# KiCad board PC110.kicad_pcb (continued)
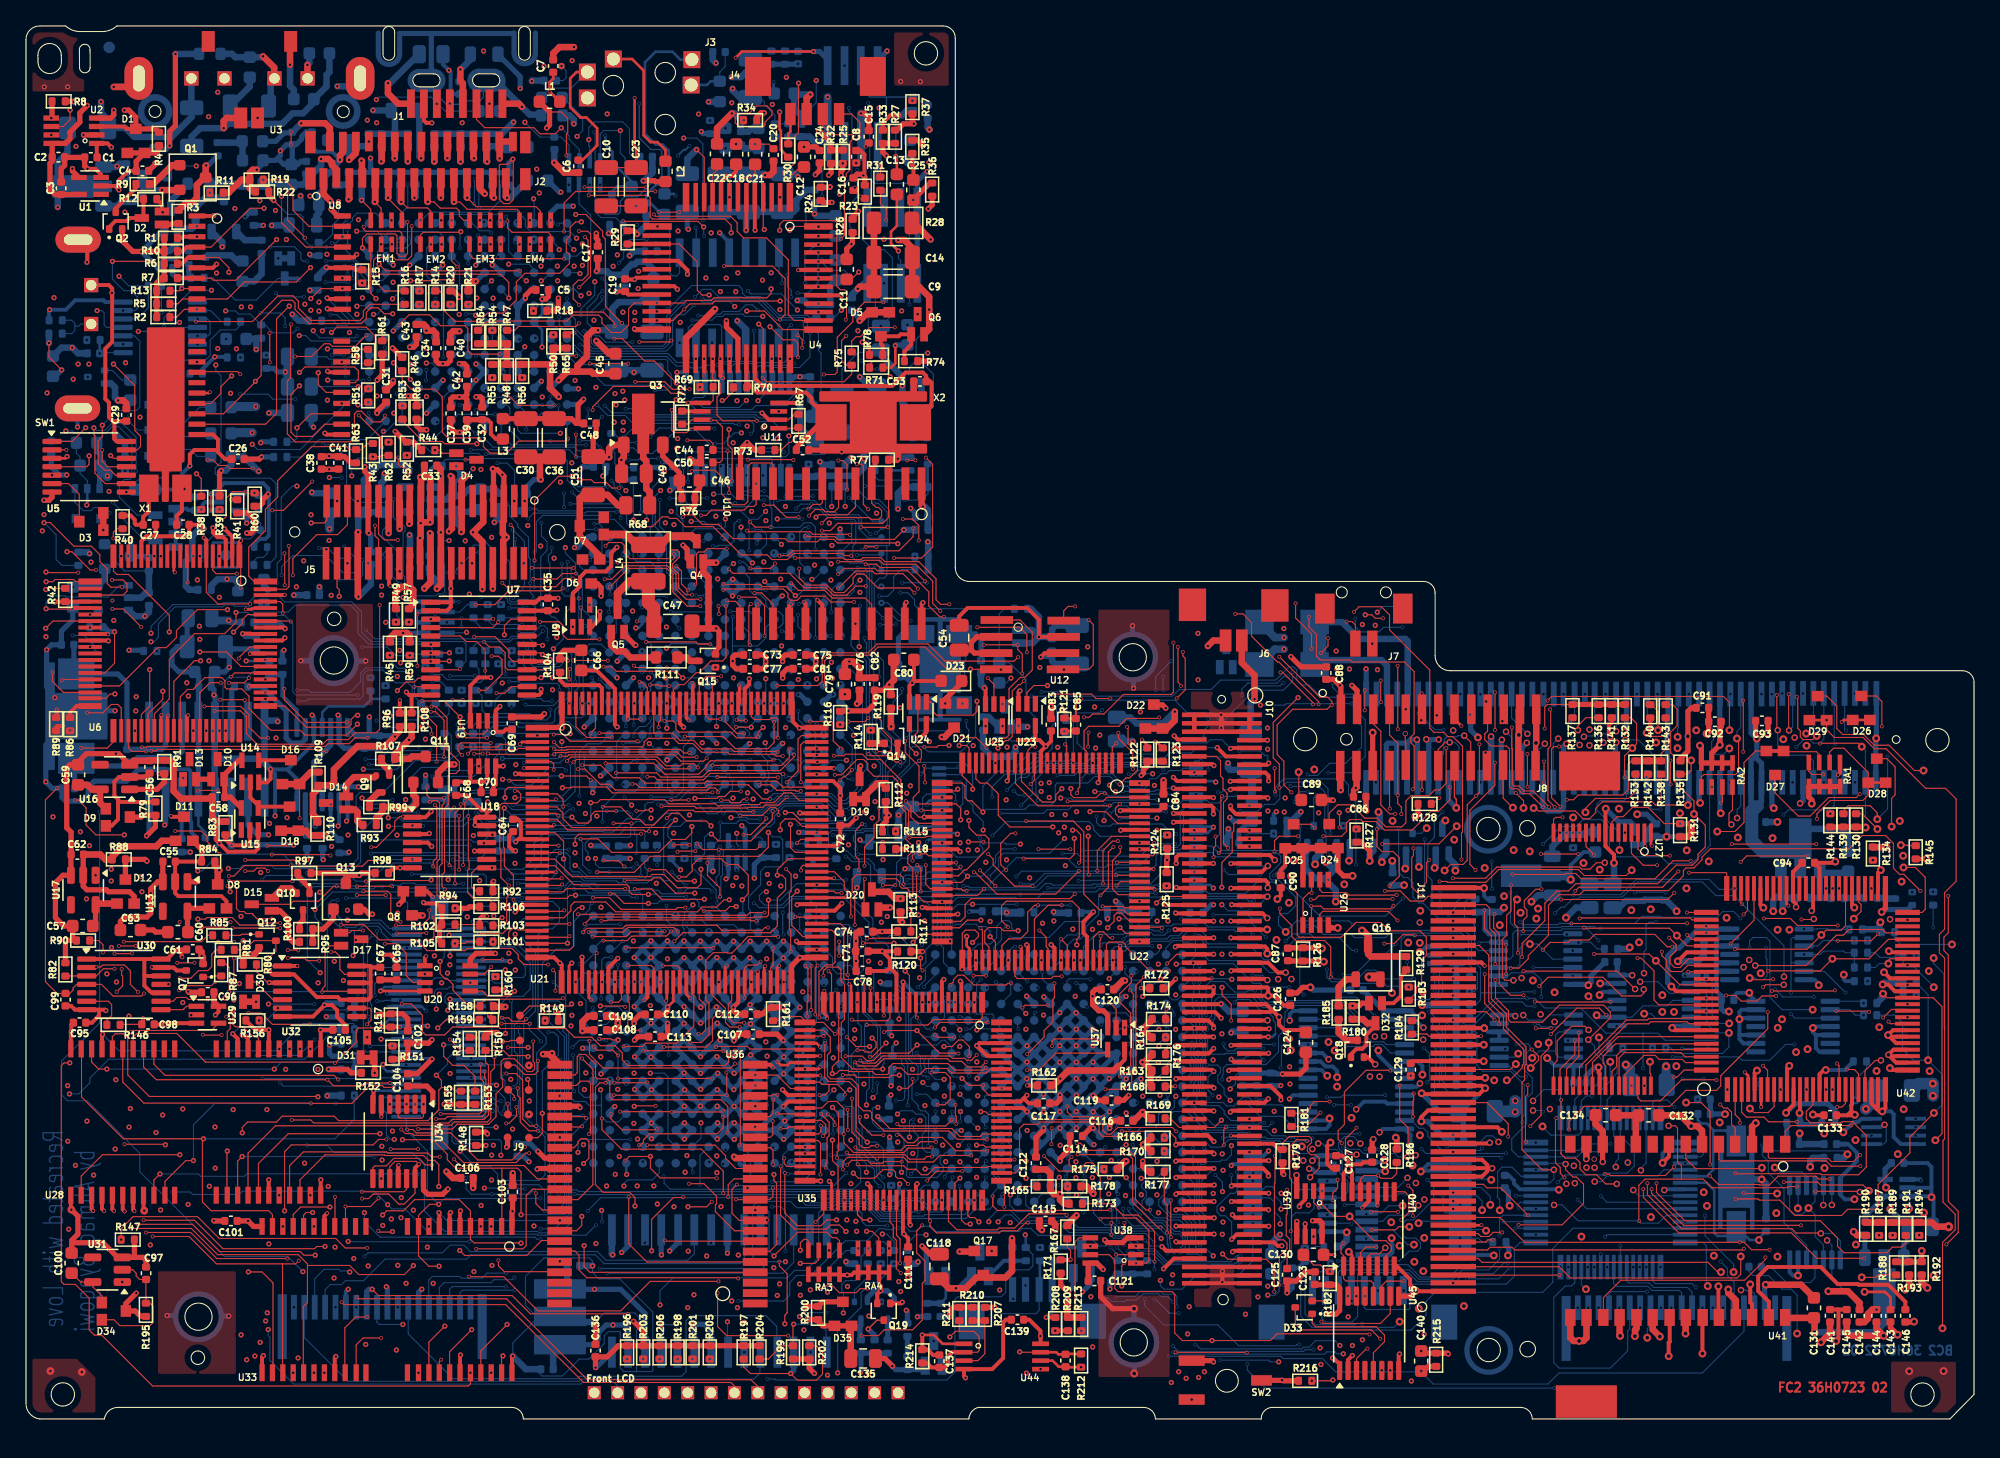
[diagram p0: board, top side]
## Routing (per net, layer and track width the routed paths; a pad name or vN(x,y) marks a point on that pad's centre or on a via; arc(x,y) is an arc through that point) (continued)
  BC1 w0.08: v7(57.08,24.21) 57.9,24.21 58.17,24.48 58.55,24.48 58.87,24.16 60.7,24.16 62.55,22.31 62.55,17.12 63.23,16.44 v1(63.23,15.34) ; v7(60.36,33.09) 60.77,32.68 60.77,26.65 60.32,26.2 57.56,26.2 57.45,26.31 v7(57.07,26.31)
  BC2 w0.08: U76.P5 60.36,33.53 v7(60.36,33.09) ; v7(57.08,24.21) 57.08,26.3 v7(57.07,26.31)
Net-(SW1-B): length 4
  BC2 w0.08: SW1.2 4.23,84.38 4.07,84.22 3.77,84.22 ; R280.1 3.52,84.67 3.77,84.42 3.77,84.22 ; 3.77,84.22 3.77,83.88 3.53,83.64 R277.1
Net-(SW2-B): length 18.5
  FC2 w0.4: 91.47,4.4 91.38,4.5 SW2.2
  FC1 w0.08: v1(94.89,9.41) 94.93,9.37 94.93,7.72 92.03,4.82 90.68,4.82 89.84,3.98 89.84,1.55 v3(89.79,1.5)
  BC1 w0.08: v1(94.89,9.41) 95.36,8.94 95.81,8.94 96.37,9.5 96.37,9.83 v7(96.87,10.33)
  BC2 w0.08: v7(96.87,10.33) 96.87,11.4 97.11,11.64 R383.2
  BC2 w0.3: R382.1 98.01,11.64 R383.2
Net-(U1-Pad4): length 5.3
  FC2 w0.4: U2.2 4.44,98.95 v1(4.43,98.96) ; v1(3.58,96.36) 3.58,96.17 U1.4
  IC1 w0.4: v1(3.58,96.36) 4.95,97.73 4.95,98.44 v1(4.43,98.96)
Net-(U2-Pad7): length 243.9
  FC1 w0.08: v1(3.85,98.07) 2.97,98.95 v3(1.95,98.95)
  IC4 w0.08: 102.03,2.64 102,2.61 ; 102.03,2.64 106.33,6.94 106.33,12.45 106.64,12.76 107.3,12.76 111.98,17.44 113.39,17.44 115.34,19.39 115.34,24.8 118.07,27.53 118.07,29.25 116.66,30.65 v4(116.66,31.18) ; 102.03,2.64 102.01,2.62 95.3,2.62 93.46,4.46 92.02,4.46 91.63,4.07 91.6,4.07 91.17,3.64 91.17,3.39 90.2,2.42 68.28,2.42 67.79,2.91 62.66,2.91 62.49,2.74 50.3,2.74 48.32,4.72 43.51,4.72 42.77,3.98 16.65,3.98 15.03,5.6 15.03,12.38 11.28,16.13 11.28,22.89 11.52,23.13 11.52,32.71 10.95,33.28 10.95,36.78 8.43,39.3 8.43,43.51 8.82,43.9 11.09,43.9 11.93,43.06 12.95,43.06 13.29,43.4 13.29,45.7 12.89,46.1 12.89,54.51 13.18,54.8 13.18,56.8 14.47,58.09 14.47,59.02 13.89,59.6 13.19,59.6 10.32,62.47 10.32,66.25 9.2,67.37 9.2,73.82 10.26,74.88 10.26,77.39 9.11,78.54 9.11,84.86 8.13,85.84 8.13,90.51 4.25,94.39 4.25,96.86 3.85,97.26 v1(3.85,98.07)
  BC1 w0.08: v4(116.66,31.18) 116.66,31.81 116.72,31.87 v7(116.72,32.51)
  BC2 w0.08: v7(116.72,32.51) 116.72,33.82 116.16,34.38 114.41,34.38 114.17,34.14 U57.9
Net-(U3-IRDA_TXD): length 14.3
  FC2 w0.4: v1(3.7,101.5) 3.66,101.54 R8.2
  FC1 w0.2: 14.67,103.2 14.67,103.33 13.63,104.37 10.6,104.37 9.57,105.4 7.6,105.4 v1(3.7,101.5)
Net-(U4-CMR): length 12.5
  FC2 w0.3: U4.6 55.49,91.62 v1(55.47,91.6)
  BC2 w0.5: C155.2 60.12,94.71 59.33,93.92 59.33,93.24 59.11,93.02 R226.1 55.65,93.02 C161.1 ; C161.1 C152.1 ; C161.1 55.47,92.84 v1(55.47,91.6)
Net-(U4-IOR): length 113.9
  FC2 w0.08: v3(71.12,62.78) 70.45,62.78 70.1,63.13 70.1,64.74 68.77,66.07 66.15,66.07 65.85,66.37 64.45,66.37 64.31,66.23 63.06,66.23 62.94,66.35 v3(59.25,66.35) ; v3(106.82,48.52) 106.93,48.63 106.93,51.86 106.66,52.13 106.66,52.54 106.92,52.8 106.92,57.6 106.19,58.33 102.16,58.33 102,58.49 99.68,58.49 99.4,58.77 99.4,60.45 98.82,61.03 v3(98.82,61.81)
  FC1 w0.08: v2(119.17,46.35) 119.17,47.86 118.91,48.12 115.66,48.12 115.43,47.89 113.83,47.89 113.38,48.34 110.46,48.34 110.19,48.07 109.23,48.07 109.05,48.25 107.94,48.25 107.86,48.17 107.17,48.17 v3(106.82,48.52) ; v3(71.12,62.78) 80.06,62.78 80.52,62.32 81.45,62.32 81.81,62.68 93.7,62.68 93.84,62.54 98.09,62.54 v3(98.82,61.81) ; v3(59.25,66.35) 59.25,66.94 59.13,67.06 59.13,69.57 59.31,69.75 59.31,73.26 59.43,73.38 59.43,77.37 57.44,79.36 v3(57.44,81.7)
  BC1 w0.08: v2(119.17,46.35) 119.93,45.59 119.93,43.51 118.12,41.7 118.12,38.35 118.96,37.51 118.96,36.6 118.45,36.09 118.45,32.27 118.25,32.07 118.25,29.69 v7(118.78,29.16)
  BC2 w0.08: U71.11 119.18,29.16 v7(118.78,29.16)
Net-(U4-IOW): length 106.4
  FC2 w0.08: v3(113.12,38.9) 113.05,38.83 113.05,37.83 113.48,37.4 113.48,33.52 114.35,32.65 v3(115.35,32.65) ; v3(70.43,62.26) 69.84,62.85 69.84,64.56 68.53,65.87 66.06,65.87 65.76,66.17 64.53,66.17 64.42,66.06 v3(62.56,66.06) ; v3(102.29,62.2) 102.68,62.59 104.41,62.59 105.03,61.97 105.03,60.81 108.13,57.71 108.13,53.23 108.45,52.91 109.2,52.91 109.53,52.58 109.91,52.58 110.29,52.2 110.3,52.2 110.65,51.85 110.65,45.24 110.57,45.16 v3(110.57,43.11)
  FC1 w0.08: v3(102.29,62.2) 101.2,62.2 100.48,61.48 98.7,61.48 97.84,62.34 93.91,62.34 93.33,61.76 92.77,61.76 92.5,62.03 81.99,62.03 81.84,61.88 80.3,61.88 79.92,62.26 v3(70.43,62.26) ; v3(58.09,81.7) 58.09,79.97 58.7,79.36 59.71,79.36 60.27,78.8 60.27,73.11 61.59,71.79 61.59,70.09 62.27,69.41 62.27,68.75 62.19,68.67 62.19,67.9 62.56,67.53 v3(62.56,66.06) ; v3(113.12,38.9) 111.77,38.9 111.24,39.43 111.24,42.44 v3(110.57,43.11) ; v4(115.33,31.12) 115.33,32.63 v3(115.35,32.65)
  BC2 w0.08: v4(115.33,31.12) 115.72,30.73 116.91,30.73 117.32,31.14 119.19,31.14 U71.8
Net-(U4-REF): length 7.7
  FC2 w0.08: v3(64.27,94.21) 64.47,94.21 R23.1 ; v1(58.83,91.61) 59.12,91.9 U4.52
  FC1 w0.08: v3(61.05,91.88) 62.62,91.88 62.98,92.24 62.98,93.66 63.53,94.21 v3(64.27,94.21)
Net-(U4-RESET): length 116
  FC2 w0.08: U20.5 35.16,32.98 35.55,32.59 37.26,32.59 v1(37.63,32.96) ; v3(59.56,65.53) 59.56,64.81 60.11,64.26 61.69,64.26 62.27,63.68 63.01,63.68 63.71,64.38 63.71,64.82 64,65.11 64.55,65.11 65.62,64.04 68.06,64.04 v3(68.43,63.67)
  FC1 w0.08: v3(68.43,63.67) 68.43,63.01 70.38,61.06 71.2,61.06 71.7,60.56 71.7,57.45 76.76,52.39 76.76,47.69 76.65,47.58 76.65,44.99 76.16,44.5 76.16,43.82 76.34,43.64 76.34,38.79 76.02,38.47 76.02,35.03 75.54,34.55 75.54,33.45 75.79,33.2 77.44,33.2 77.94,32.7 77.94,32.13 78.38,31.69 v1(78.38,31.12) ; v3(59.56,65.53) 59.8,65.77 59.8,67.28 59.7,67.38 59.7,69.14 59.83,69.27 59.83,70.42 59.92,70.51 59.92,72.94 60.07,73.09 60.07,78.6 59.6,79.07 58.39,79.07 57.78,79.68 57.78,81.89 58,82.11 58.55,82.11 58.84,81.82 v3(58.84,81.7)
  IC3 w0.08: v1(78.38,31.12) 77.51,31.99 77.06,31.99 76.69,32.36 45.47,32.36 44.51,33.32 37.99,33.32 v1(37.63,32.96)
Net-(U4-VCC_Bus): length 11.2
  FC2 w0.3: U4.44 61.05,86.59 v1(62.81,86.59)
  IC1 w0.5: v1(62.81,86.59) 62.71,86.59 59.62,83.5 v1(59.62,80.32)
  BC2 w0.4: U49.24 59.19,80.32 v1(59.62,80.32) C213.1
Net-(U4-Xin): length 13.8
  FC2 w0.3: U4.34 55.49,79.94 55.87,79.56 ; 55.87,79.56 55.58,79.56 R70.2 ; 55.87,79.56 56.33,79.1 60.08,79.1 60.51,78.67 60.51,78.38 62.01,76.88 X2.1
  FC2 w0.4: X2.1 61.26,76.8 59.34,74.88 C52.1
Net-(U4-Xout): length 19.9
  FC2 w0.3: U4.35 56.14,80.18 56.71,79.61 66.72,79.61 67.75,80.64 69.08,80.64 69.34,80.38 C53.2 69.65,79.96 69.75,79.86 69.75,78.04 X2.2
Net-(U6-P02): length 27.3
  FC2 w0.3: v3(12.49,54.22) 12.39,54.12 U6.52
  FC1 w0.08: v1(14.1,58.43) 14.1,57.1 13.2,56.2 12.35,56.2 12.17,56.02 12.17,55.36 12.49,55.04 v3(12.49,54.22)
  BC1 w0.08: v1(14.1,58.43) 15.33,57.2 19.84,57.2 v7(20.88,56.16)
  BC2 w0.08: v7(20.88,56.16) 21.77,56.16 21.93,56 24.95,56 25.77,56.82 25.77,57.47 26.19,57.89 28.07,57.89 28.35,57.61 29.28,57.61 v1(29.6,57.29) 29.93,56.96 29.93,55.66 R336.1
Net-(U6-P03): length 32.5
  FC2 w0.08: U6.51 11.89,55.66 12.45,56.22 12.87,56.22 13.78,57.13 15.08,57.13 15.33,56.88 15.33,56.39 15.46,56.26 16.62,56.26 17.18,55.7 17.18,54.74 18.85,53.07 21.13,53.07 21.5,52.7 24.69,52.7 v1(25.53,53.54)
  BC1 w0.08: v7(31.07,56.16) 30.97,56.06 30.97,53.17 30.26,52.46 v7(30.26,51.81) ; v1(25.53,53.54) 26.16,52.91 v7(26.16,50.83)
  BC2 w0.08: v7(30.26,51.81) 28.22,51.81 27.24,50.83 v7(26.16,50.83)
  BC2 w0.2: v7(31.07,56.16) R339.2
Net-(U6-P04): length 33.5
  FC2 w0.08: U6.50 11.39,56.84 12.98,58.43 v1(13.45,58.43)
  BC1 w0.08: v7(20.94,55.33) 14.29,55.33 13.45,56.17 v1(13.45,58.43)
  BC2 w0.08: v7(20.94,55.33) 21.59,55.33 21.73,55.47 25.72,55.47 25.96,55.71 25.96,57.35 26.32,57.71 27.49,57.71 28.47,56.73 29.42,56.73 29.75,56.4 29.75,54.8 30.43,54.12 32.36,54.12 32.58,54.34 R328.1
Net-(U6-P05): length 38.5
  FC2 w0.2: U6.49 10.89,54.14 v3(10.96,54.21)
  FC1 w0.08: v1(9.63,60.55) 9.98,60.55 10.2,60.33 10.2,54.97 v3(10.96,54.21)
  BC2 w0.08: v1(9.63,60.55) 9.63,61.08 11.31,62.76 15.09,62.76 15.23,62.9 17.14,62.9 17.72,63.48 19.4,63.48 19.91,62.97 25.09,62.97 25.84,62.22 25.84,60.64 26.57,59.91 33.7,59.91 33.89,59.72 33.89,58.39 33.7,58.19 R354.1
Net-(U6-P06): length 35.1
  FC2 w0.2: U6.48 10.39,54.21 v3(10.44,54.26)
  FC1 w0.08: v1(9.63,59.89) 9.63,59.42 9.98,59.07 9.98,54.72 v3(10.44,54.26)
  BC2 w0.08: R355.1 31.77,57.92 31.29,58.4 31.29,59.4 30.98,59.71 26.42,59.71 25.57,60.56 25.57,62.13 24.98,62.71 20.72,62.71 20.19,62.18 17.56,62.18 17.11,62.63 16.09,62.63 15.99,62.73 15.3,62.73 15.15,62.58 11.48,62.58 10.2,61.3 10.2,60.23 9.86,59.89 v1(9.63,59.89)
Net-(U6-P10): length 122.9
  FC2 w0.08: U6.46 9.39,54.31 10.54,55.46 v1(10.54,56.08)
  IC1 w0.08: v1(10.54,56.08) 9.43,54.97 9.43,47.64 8.78,46.99 6.81,46.99 5.13,45.31 5.13,45.04 2.33,42.24 2.33,14.07 12.82,3.58 40.59,3.58 42.88,5.87 65.31,5.87 v1(67.81,8.37)
  BC2 w0.4: v1(67.81,8.37) 67.89,8.29 R413.2
Net-(U6-P11): length 150
  FC2 w0.08: v1(9.53,57.75) 9.53,54.93 8.89,54.29 U6.45
  FC2 w0.5: v1(80.92,15.69) 80.21,14.98 R167.2
  IC1 w0.08: v1(80.92,15.69) 80.92,8.56 77.08,4.72 43.42,4.72 41.15,2.45 11.98,2.45 1.22,13.21 1.22,44.62 2.96,46.36 2.96,50.53 5.1,52.67 5.1,57.03 5.82,57.75 v1(9.53,57.75)
Net-(U6-P12): length 125.3
  FC1 w0.08: v3(8.39,53.04) 8.09,53.35 8.09,55.26 v1(8.49,55.66)
  IC1 w0.08: v1(8.49,55.66) 9.02,55.13 9.02,48.48 8.15,47.61 5.77,47.61 3.62,45.46 3.62,44.44 1.94,42.76 1.94,13.78 12.52,3.2 40.74,3.2 42.98,5.44 68.59,5.44 69.53,6.38 69.53,7.05 68.71,7.87 v1(68.66,7.87)
  BC2 w0.08: v1(68.66,7.87) 68.68,7.89
  BC2 w0.4: 68.68,7.89 R407.1
Net-(U6-P13): length 131
  FC2 w0.08: v3(7.37,34.67) 7.37,34.2 7.45,34.12 7.45,33.38 v3(6.99,32.92) ; v3(8.45,36.46) 8.44,36.45 v3(7.16,36.45) ; U6.43 7.89,51.7 8.15,51.44 v3(9.25,51.44)
  FC1 w0.08: v3(7.37,34.67) 7.16,34.88 v3(7.16,36.45) ; v3(8.45,36.46) 8.45,36.86 8.35,36.96 8.35,48.9 9.98,50.53 9.98,51.58 9.7,51.86 9.39,51.86 9.25,51.72 v3(9.25,51.44) ; v3(6.99,32.92) 6.28,32.92 5.5,32.14 5.5,20.99 9.76,16.73 9.76,14.61 14.92,9.45 14.92,6.16 16.49,4.59 16.97,4.59 v1(17,4.56)
  BC1 w0.08: v1(17,4.56) 17.01,4.56 18.49,3.08 57.11,3.08 v7(57.12,3.07)
  BC2 w0.08: v7(57.12,3.07) 57.7,3.07 57.77,3 70.93,3 71.55,3.62 71.55,9.22 71.74,9.41 75.11,9.41 75.47,9.77 75.47,11.25 75.71,11.49 77.25,11.49 77.56,11.8 77.56,12.66 R390.2 ; v1(76.97,14.19) 77.01,14.15
  BC2 w0.2: 77.01,14.15 R390.2
Net-(U6-P16): length 2.2
  FC2 w0.3: 3.41,54.02 3.4,54.03 3.4,54.44 3.9,54.94 U6.40
Net-(U6-P22): length 5.3
  FC2 w0.08: U6.36 2.83,56.99 v3(2.76,56.92)
  FC2 w0.3: v3(2.37,54.67) 2.37,54.11 R89.2
  FC1 w0.08: v3(2.76,56.92) 2.76,55.06 v3(2.37,54.67)
Net-(U6-P23): length 5.7
  FC2 w0.08: U6.35 6.08,57.49 6.82,58.23 6.82,60.66 v1(6.83,60.66)
  BC2 w0.08: 6.81,60.68 v1(6.83,60.66)
  BC2 w0.4: R283.1 6.06,61.01 6.39,60.68 6.81,60.68
Net-(U6-P40): length 2.7
  FC2 w0.3: U6.24 R42.2 2.27,62.99 v1(2.23,62.95)
Net-(U6-P45): length 7.7
  FC1 w0.08: v3(13.5,70.09) 11.78,70.09 8.9,67.21 7.93,67.21 7.34,66.62 v3(7.34,66.49)
Net-(U6-P51): length 7
  FC1 w0.08: v3(9.39,66.47) 11.95,69.03 13.85,69.03 v3(14.91,70.09)
Net-(U6-P57): length 49.8
  FC2 w0.08: v3(14.96,55.43) 16.81,55.43 v3(16.85,55.39) ; v3(16.89,43.07) 20.66,43.07 21.13,42.6 25.92,42.6 26.36,43.04 v3(27.95,43.04) ; U6.9 12.46,66.42 v3(12.46,64.47)
  FC1 w0.08: v1(27.91,46.33) 28.33,46.33 28.56,46.1 28.56,45.76 27.95,45.15 v3(27.95,43.04) ; v3(16.85,55.39) 16.85,43.11 v3(16.89,43.07) ; v3(12.46,64.47) 12.46,60.17 13.1,59.53 13.75,59.53 14.48,58.8 14.48,56.35 14.96,55.87 v3(14.96,55.43)
  BC2 w0.08: D60.3 34.36,47.24 34.08,46.96 34.08,46.59 33.56,46.07 28.99,46.07 28.73,46.33 v1(27.91,46.33)
Net-(U6-SEG00): length 30.3
  FC2 w0.08: v3(17.17,57.1) 16.8,56.73 v3(15.65,56.73) ; v3(19.9,56.27) 19.9,55.41 21.63,53.68 v3(24.73,53.68) ; v3(14.99,56.74) 14.17,56.74 13.39,55.96 U6.54
  FC1 w0.08: v3(15.65,56.73) 15.64,56.74 v3(14.99,56.74) ; v3(24.73,53.68) 24.73,51.33 v1(25.99,50.07) ; v3(19.9,56.27) 18.81,57.36 18.21,57.36 17.95,57.1 v3(17.17,57.1)
  BC2 w0.08: R331.2 32.6,52.83 32.76,52.67 32.76,51.3 32.43,50.97 29.48,50.97 28.58,50.07 v1(25.99,50.07)
Net-(U6-SEG01): length 39.5
  FC1 w0.08: v1(13.23,42.23) 13.23,42.87 13.66,43.3 13.66,51.67 12.89,52.44 v3(12.89,53.04)
  BC2 w0.08: R351.1 33.39,51.28 33.16,51.05 32.92,51.05 32.63,50.76 30,50.76 27.53,48.29 25.73,48.29 25.43,47.99 25.43,45.47 25.57,45.33 25.57,43.19 25.02,42.64 20.69,42.64 19.81,43.52 14.85,43.52 13.56,42.23 v1(13.23,42.23)
Net-(U6-SEG07): length 37.2
  FC2 w0.08: v1(16.18,62.15) 16.18,61.4 15.3,60.52 12.99,60.52 11.65,59.18 11.65,59.14 11.04,58.53 11.04,55.49 9.89,54.34 U6.47
  BC1 w0.08: v7(25.54,55.8) 25.54,59.11 v7(25.92,59.49)
  BC2 w0.08: R330.2 29.49,58.94 29.37,58.82 28.49,58.82 27.82,59.49 v7(25.92,59.49) ; v1(16.18,62.15) 17.07,62.15 17.3,61.92 19.93,61.92 20.55,61.3 20.55,56.04 20.79,55.8 v7(25.54,55.8)
Net-(U6-VL1): length 18.4
  FC2 w0.08: U6.80 17.57,64.54 17.16,64.95 17.16,67.18 18.44,68.46 18.44,70.1 19.39,71.05 19.39,72.32 22,74.93 24.7,74.93 24.93,74.7 R63.2 25.83,74.7 26.3,75.17 R43.2
Net-(U6-VL2): length 20.4
  FC2 w0.08: v3(26.72,74.15) 27.29,74.15 27.4,74.26 R62.1 ; U6.79 20.06,63.94 20.26,64.14 20.26,67.26 v3(20.24,67.28)
  FC1 w0.08: v3(20.24,67.28) 21.2,67.28 21.69,67.77 21.69,68.69 21.44,68.94 21.44,69.07 20.08,70.43 20.08,72.07 21.63,73.62 24.62,73.62 25.15,74.15 v3(26.72,74.15)
Net-(U6-VL3): length 21.7
  FC2 w0.08: v3(19.93,64.25) 19.93,66.69 v3(19.91,66.71)
  FC2 w0.3: v3(19.92,63.51) 19.9,63.49 U6.78
  FC1 w0.08: v3(29.34,74.26) 29.34,74.51 28.57,75.28 v3(27.93,75.28) 26.92,75.28 26.82,75.18 22.81,75.18 19.72,72.09 19.72,67.24 19.91,67.05 v3(19.91,66.71) ; v3(19.92,63.51) 19.93,63.52 v3(19.93,64.25)
Net-(U6-Xin): length 21.9
  FC2 w0.08: v3(5.39,65.42) 4.95,65.42 3.54,66.83 v1(3.16,66.83)
  FC2 w0.3: v3(12.2,71.67) 12.06,71.67 X1.1 12.01,69.98 11.61,69.58 C28.1
  FC1 w0.08: v1(3.16,66.83) 3.15,66.84 3.15,66.87 ; v3(5.39,65.42) 5.39,61.13 5.25,60.99 v3(4.94,60.99)
  FC1 w0.3: v3(12.2,71.67) 10.17,71.67 8.96,70.46 6.84,70.46 3.25,66.87 3.15,66.87
Net-(U6-Xout): length 10.2
  FC2 w0.08: v3(6.73,67.86) 6.73,68.32 7.01,68.6 R40.1
  FC2 w0.3: v3(6.31,60.47) 6.29,60.49 U6.29
  FC1 w0.08: v3(6.31,60.47) 6.3,60.48 6.3,67.43 v3(6.73,67.86)
Net-(U8-LCAS#): length 2.1
  FC2 w0.08: 26.52,82.41 26.51,82.42 ; R58.2 25.47,82.42 25.31,82.26 U8.29
Net-(U8-RAS#): length 30.5
  FC2 w0.08: U8.14 13.22,80.71 16.31,80.71 v3(16.51,80.51)
  FC1 w0.08: v3(34.08,85.9) 34.06,85.88 34.06,78.51 32.57,77.02 21.51,77.02 18.02,80.51 v3(16.51,80.51)
Net-(U8-UCAS#): length 3
  FC1 w0.08: v3(26.36,79.39) 25.84,79.91 25.84,80.08 24.46,81.46 v3(24.32,81.46)
Net-(U8-WE#): length 21.9
  FC2 w0.08: v3(13.1,84.57) 17.44,84.57 19.42,86.55 20.57,86.55 20.98,86.14 20.98,85.62 21.94,84.66 25.72,84.66 25.99,84.93 25.99,85.39 26.5,85.9 R16.1
  FC1 w0.08: v3(13.17,81.46) 13.12,81.51 13.12,84.55 v3(13.1,84.57)
Net-(U10-AO): length 95.2
  FC2 w0.08: v3(41.67,50.7) 41.98,51.01 48.63,51.01 49.26,50.38 49.28,50.38 49.32,50.34 50.4,50.34 50.55,50.49 51.46,50.49 v3(51.75,50.2) ; v3(39.06,29.09) 39.06,27.55 39.18,27.43 39.18,26.96 38.99,26.77 38.61,26.77 37.62,27.76 36.83,27.76 36.6,27.53 36.6,26.26 36.72,26.14 36.72,25.57 36.2,25.05 36.2,23.28 35.63,22.71 33.21,22.71 32.84,22.34 v3(30.22,22.34) ; U10.4 65.14,70.58 65.47,70.25 65.66,70.25 65.91,70 65.91,69.56 65.68,69.33 65.09,69.33 64.96,69.46 61.73,69.46 v3(61.29,69.02) ; v3(28.09,20.8) v3(30.2,20.8)
  FC2 w0.3: U34.11 28.67,19.53 v3(28.7,19.56) ; R77.1 65.42,73.55 65.14,73.27 U10.4
  FC1 w0.08: v3(51.75,50.2) 51.76,50.2 52.04,50.48 52.04,51.26 52.55,51.77 52.55,54.69 52.4,54.84 52.4,57.87 52.14,58.13 52.14,60.12 52.31,60.29 54.26,60.29 55.29,61.32 61.57,61.32 61.88,61.63 61.88,63.88 61.31,64.45 61.31,66.7 60.96,67.05 60.96,68.69 v3(61.29,69.02) ; v3(28.7,19.56) 28.7,19.92 28.09,20.53 v3(28.09,20.8) ; v3(41.67,50.7) 40.41,50.7 39.99,50.28 39.99,38.29 39.33,37.63 39.33,32.1 38.98,31.75 38.98,30.9 39.12,30.76 39.12,29.46 39.06,29.4 v3(39.06,29.09) ; v3(30.22,22.34) 30.2,22.32 v3(30.2,20.8)
Net-(U10-CS#): length 98.3
  FC2 w0.08: v3(51.11,51.32) 50.67,51.32 50.39,51.6 41.71,51.6 41.65,51.54 40.78,51.54 v3(40.67,51.65) ; v3(60,68.04) 60.21,68.04 60.26,67.99 62.3,67.99 62.51,67.78 66.88,67.78 v1(67.62,68.52) ; v3(38.43,20.95) 37.44,19.96 34.8,19.96 32.72,22.04 30.06,22.04 29.8,22.3 v3(29.36,22.3) ; U10.7 61.34,70.61 61.21,70.48 60.64,70.48 60.3,70.14 v3(60.27,70.14)
  FC1 w0.08: v3(60.27,70.14) 60,69.87 v3(60,68.04) 60,64.53 60.24,64.29 60.51,64.29 61.25,63.55 61.25,62.32 60.82,61.89 54.91,61.89 54.72,61.7 52.47,61.7 51.56,60.79 51.56,57.61 51.82,57.35 51.82,53.28 51.29,52.75 51.29,51.84 51.11,51.66 v3(51.11,51.32) ; v3(29.36,22.3) 29.36,24.21 v3(29.32,24.25) ; v3(40.67,51.65) 40.17,51.65 39.41,50.89 39.41,38.69 38.72,38 38.72,32.46 38.19,31.93 38.19,25.33 38.01,25.15 36.7,25.15 36.44,24.89 36.44,23.87 36.61,23.7 37.38,23.7 38.43,22.65 v3(38.43,20.95)
  BC2 w0.5: v1(67.62,68.52) R244.2
Net-(U10-D0): length 65.3
  FC2 w0.08: U10.10 57.54,73.55 57.42,73.67 55.86,73.67 55.6,73.41 55.6,70.7 55.35,70.45 54.42,70.45 53.57,71.3 53.57,72.62 53.08,73.11 51.35,73.11 v3(51.28,73.04) ; R64.2 35.55,84.61 41.66,84.61 42.12,85.07 44.12,85.07 44.36,84.83 44.36,84.45 45.08,83.73 45.85,83.73 46.41,84.29 46.41,84.59 46.42,84.6 46.42,85.57 46.85,86 v3(48.59,86) 50.69,86 50.89,86.2 52.8,86.2 53,86.4 57.07,86.4 57.4,86.73 57.4,87.08 v1(57.39,87.09)
  FC1 w0.08: v3(48.59,86) 49.44,85.15 49.44,74.28 50.68,73.04 v3(51.28,73.04)
  BC1 w0.08: v1(57.39,87.09) 59.62,87.09 59.87,86.84 59.87,85.98 60.38,85.47 v7(60.38,83.68)
  BC2 w0.08: U49.22 57.5,80.92 57.61,81.03 59.59,81.03 60.38,81.82 v7(60.38,83.68)
Net-(U10-D1): length 137
  FC2 w0.08: v3(21.51,91.03) 20.15,92.39 v3(20.15,94.55) ; v3(20.42,99.2) v3(20.42,98.2) ; v3(56.24,72.08) 56.24,70.48 56.08,70.32 55.59,70.32 55.31,70.04 52.79,70.04 52.38,69.63 v3(52,69.63) ; v3(27.64,77.32) 27.64,77.17 27.31,76.84 26.66,76.84 25.84,77.66 25.51,77.66 25.3,77.45 25.3,75.62 24.98,75.3 20.74,75.3 20.13,75.91 20.13,79.98 20.38,80.23 20.38,84.31 v3(20.42,84.35)
  FC1 w0.08: v3(21.51,91.03) 19.74,89.26 19.74,85.03 v3(20.42,84.35) ; v3(20.15,94.55) 20.15,95.96 20.42,96.23 v3(20.42,98.2) ; v3(35.92,83.89) 35.92,84.43 34.73,85.62 34.73,85.81 34.33,86.21 33.97,86.21 33.77,86.01 33.77,79.83 32,78.06 30.22,78.06 29.89,77.73 28.78,77.73 28.59,77.92 27.98,77.92 27.64,77.58 v3(27.64,77.32) ; v3(52,69.63) 52,71.4 49.27,74.13 49.27,84.67 v3(48.59,85.35) 48.1,85.84 48.1,86.18 49.01,87.09 49.01,93.16 48.79,93.38 47.81,93.38 47.52,93.09 46.63,93.09 46.11,93.61 46.11,99.7 45.67,100.14 42.77,100.14 42.07,100.84 v1(42.07,104.68) 42.06,104.69 39.6,104.69 39,104.09 37.82,104.09 37.22,104.69 29.58,104.69 28.69,103.8 28.69,100.43 27.46,99.2 v3(20.42,99.2) ; v3(56.24,72.08) 56.24,74.41 55.95,74.7 55.95,78.03 v1(56.39,78.47)
  BC2 w0.08: v1(56.39,78.47) 56.85,78.93 U49.21
Net-(U10-D2): length 79.4
  FC2 w0.08: v3(53.98,63.09) 54.06,63.01 54.65,63.01 54.99,62.67 U10.13 ; v1(58.09,86.15) 53.08,86.15 52.86,85.93 51.13,85.93 v3(50.71,85.51) 49.85,84.65 v3(48.59,84.65) ; v3(43.02,94.92) 43.03,94.91 v3(47.76,94.91) ; R47.2 37.64,83.89 37.94,84.19 42.35,84.19 v3(42.59,84.43) ; v3(43.06,91.07) 43.29,90.84 43.29,88.18 42.87,87.76 42.55,87.76 42.15,87.36 42.15,86.33 42.6,85.88 v3(42.6,85.86)
  FC1 w0.08: v3(53.98,63.09) 53.98,63.58 54.12,63.72 54.12,64.5 53.45,65.17 52.52,65.17 51.69,66 51.69,69.29 51.43,69.55 51.43,71.55 49.08,73.9 49.08,84.16 v3(48.59,84.65) ; v3(43.06,91.07) 43.06,91.46 43.16,91.56 43.16,93.88 43.02,94.02 v3(43.02,94.92) ; v3(47.76,94.91) 47.76,94.35 48.24,93.87 48.59,93.87 49.22,93.24 49.22,87 v3(50.71,85.51) ; v3(42.6,85.86) 42.59,85.85 v3(42.59,84.43)
  BC1 w0.08: v1(58.09,86.15) 58.6,85.64 58.6,81.9 v7(59.15,81.35)
  BC2 w0.08: v7(59.15,81.35) 58.92,81.35 58.77,81.2 57.25,81.2 57.2,81.15 56.43,81.15 56.2,80.92 U49.20
Net-(U10-D3): length 107.1
  FC2 w0.08: v3(36.51,82.06) 34.28,82.06 34.03,82.31 34.03,84.04 33.82,84.25 31.93,84.25 31.09,85.09 29.51,85.09 v3(28.7,84.28) ; v3(57.35,68.73) 56.16,68.73 v3(55.76,69.13) ; v3(54.39,72.28) 54.39,74.74 54.06,75.07 54.06,75.63 54.15,75.72 v1(54.15,76.26) ; v3(20.73,81.88) 22,81.88 22.98,82.86 23.39,82.86 23.59,82.66 25.36,82.66 v3(26.23,83.53) ; v3(56.32,62.77) 56.24,62.69 U10.14
  FC1 w0.08: v3(51.59,81.7) 51.59,79.19 51.67,79.11 51.67,74.67 54.06,72.28 v3(54.39,72.28) 54.68,72.28 54.87,72.09 54.87,69.47 55.21,69.13 v3(55.76,69.13) ; v3(56.32,62.77) 56.32,63.22 56.4,63.3 56.4,64.95 57.35,65.9 v3(57.35,68.73) ; v3(36.51,82.06) 40,82.06 40.62,82.68 v3(40.62,83.55) ; v3(26.23,83.53) 27.59,83.53 27.84,83.78 27.84,84.05 28.07,84.28 v3(28.7,84.28) ; v1(16.21,82.47) 16.8,81.88 v3(20.73,81.88)
  IC3 w0.08: v1(16.21,82.47) 16.21,81.39 15.45,80.63 15.44,80.63 15.44,80.08 16.27,79.25 16.27,78.57 17.9,76.94 31.02,76.94 31.63,77.55 52.87,77.55 54.15,76.27 v1(54.15,76.26)
  BC1 w0.08: v7(55.48,79.23) 54.84,79.23 54.14,78.53 54.14,76.25 v1(54.15,76.26)
  BC2 w0.08: v7(55.48,79.23) 55.48,79.87 55.55,79.93
Net-(U10-D4): length 71.7
  FC2 w0.08: v3(48.47,94.6) 42.34,94.6 41.45,93.71 v3(41.45,91.51) ; v3(52.24,80.4) v3(52.24,81.7) ; v3(42.61,87.21) 42.63,87.21 43.49,88.07 43.49,91.31 43.27,91.53 v3(42.6,91.53) ; U10.15 57.54,62.79 56.67,63.66 v3(56.11,63.66)
  FC2 w0.2: R65.2 41.81,83.71 v3(42.25,83.71)
  FC1 w0.08: v3(48.47,94.6) 48.86,94.6 49.45,94.01 49.45,89.07 51.08,87.44 54.1,87.44 v1(54.67,86.87) 53.95,86.15 52.83,86.15 52.27,85.59 52.27,81.73 v3(52.24,81.7) ; v3(42.6,91.53) 41.47,91.53 v3(41.45,91.51) ; v3(42.61,87.21) 42.25,86.85 v3(42.25,83.71) ; v3(52.24,80.4) 52.24,79.16 51.93,78.85 51.93,74.78 53.89,72.82 54.64,72.82 55.35,72.11 55.35,69.65 55.49,69.51 55.88,69.51 56.38,69.01 56.38,65.34 56.11,65.07 v3(56.11,63.66)
  BC1 w0.08: v7(54.9,80.82) 54.22,81.5 54.22,82.27 53.5,82.99 53.5,85.7 v1(54.67,86.87)
  BC2 w0.08: U49.18 54.9,79.94 v7(54.9,80.82)
Net-(U10-D5): length 87.8
  FC2 w0.08: v3(45.34,84.21) 45.34,84.43 44.47,85.3 v3(41.53,85.3) ; v3(45.99,92.31) 46.01,92.29 51.77,92.29 v1(52.2,91.86) ; v3(56.29,76.92) 53.67,76.92 53.23,77.36 53.23,78.76 53.52,79.05 53.52,79.75 53.22,80.05 53.05,80.05 52.89,80.21 v3(52.89,81.7)
  FC2 w0.3: v3(58.92,62.78) 58.79,62.65 U10.16
  FC1 w0.08: v3(45.34,84.21) 45.34,85.81 45.99,86.46 v3(45.99,92.31) ; v3(56.29,76.92) 56.29,74.96 57.94,73.31 57.94,70.08 58.58,69.44 58.58,63.99 58.68,63.89 58.68,63.35 58.92,63.11 v3(58.92,62.78) ; v3(41.53,85.3) 41.53,84.89 41.06,84.42 37.95,84.42 35.91,82.38 v3(35.91,80.25) ; v1(52.2,91.86) 52.2,90.29 52.95,89.54 54.15,89.54 55.23,88.46 55.23,85.96 55.06,85.79 55.06,85.52 54.71,85.17 53.68,85.17 52.89,84.38 v3(52.89,81.7)
  BC1 w0.08: v7(58.93,84.3) 58.92,84.31 58.92,86.44 v7(58.94,86.46) ; v7(52.23,91.17) 52.55,90.85 53.03,90.85 54.93,88.95 57.53,88.95 58.31,88.17 v7(58.65,88.17)
  BC2 w0.08: v7(58.94,86.46) 58.94,86.98 58.65,87.27 v7(58.65,88.17) ; v7(58.93,84.3) 58.64,84.01 58.64,81.66 58.39,81.41 56.35,81.41 56.27,81.33 54.58,81.33 54.25,81 54.25,79.93 ; v1(52.2,91.86) 52.2,91.2 v7(52.23,91.17)
Net-(U10-D6): length 104
  FC2 w0.08: v3(40.71,78.11) 37.93,78.11 37.04,79 R48.1 ; v3(59.11,73.9) 59.08,73.93 v3(55.62,73.93) ; v3(48.73,93) 50.31,93 v3(50.32,93.01) ; v3(43.43,81.33) v3(46.38,81.33)
  FC2 w0.3: U10.17 60.04,62.85 v3(59.92,62.97) ; v3(53.67,80.21) 53.49,80.39 v3(53.49,81.7)
  FC1 w0.08: v3(59.92,62.97) 59.92,63.41 59.27,64.06 59.27,64.6 58.96,64.91 58.96,69.73 59.11,69.88 v3(59.11,73.9) ; v3(46.38,81.33) 46.38,88.4 47.46,89.48 47.46,91.68 47.94,92.16 48.24,92.16 48.73,92.65 v3(48.73,93) ; v3(40.71,78.11) 41.87,78.11 43.43,79.67 v3(43.43,81.33) ; v3(53.49,81.7) 55.24,83.45 57.68,83.45 58.47,84.24 58.47,88.3 56.83,89.94 53.48,89.94 52.78,90.64 v1(52.78,91.4) 52.78,92.09 51.86,93.01 v3(50.32,93.01) ; v3(55.62,73.93) 53.5,73.93 52.29,75.14 52.29,78.45 52.68,78.84 52.68,79.22 v3(53.67,80.21)
  IC4 w0.08: v1(50.09,78.55) 50.61,78.55 51.03,78.97 51.03,86.26 51.84,87.07 52.16,87.07 52.16,87.09 52.78,87.71 v1(52.78,91.4)
  BC1 w0.08: v7(51.01,82.04) 50.77,81.8 v7(50.77,79.63)
  BC2 w0.08: v1(50.09,78.55) 50.57,78.55 50.76,78.74 50.76,79.62 v7(50.77,79.63) ; U49.16 53.6,84.19 53.45,84.33 51.25,84.33 51.01,84.09 v7(51.01,82.04)
Net-(U10-D7): length 139.3
  FC2 w0.08: v3(43.35,94.3) 47.91,94.3 48.08,94.13 48.08,92.64 48.25,92.47 53.84,92.47 54.32,91.99 v1(54.32,91.41) ; v3(42.38,81.91) 42.36,81.93 v3(41.34,81.93) ; v3(59.5,69.49) 58.55,69.49 57.62,70.42 v3(56.83,70.42)
  FC2 w0.3: U10.18 61.34,62.73 v3(60.97,63.1)
  FC1 w0.08: v3(42.38,81.91) 43.13,82.66 43.13,85.03 44.35,86.25 44.35,90.15 43.35,91.15 v3(43.35,94.3) ; v3(56.83,70.42) 56.79,70.42 55.64,71.57 55.64,72.16 54.15,73.65 53.47,73.65 52.12,75 52.12,78.63 52.44,78.95 52.44,79.57 54.19,81.32 v3(54.19,81.7) 54.67,82.18 55.57,82.18 56.6,83.21 57.85,83.21 58.64,84 58.64,88.91 57.04,90.51 54.78,90.51 54.32,90.97 v1(54.32,91.41) ; v3(38.22,80.25) 38.86,80.89 40.3,80.89 v3(41.34,81.93) ; v3(59.5,69.49) 59.5,67.2 59.62,67.08 59.62,66.1 59.2,65.68 59.2,65.07 59.47,64.8 59.47,64.6 v3(60.97,63.1)
  IC4 w0.08: v1(54.32,91.41) 54.32,96.17 58.57,100.42 v1(58.57,103.39)
  BC1 w0.08: v7(63.77,77.81) 62.34,79.24 60.8,79.24 60.56,79 59.43,79 v7(59.28,79.15) ; v7(64.87,101.41) 59.39,101.41 58.57,102.23 v1(58.57,103.39) ; v7(65.63,77.82) 65.63,78.73 65.23,79.13 65.23,84.54 66.58,85.89 v7(68.05,85.89) ; v7(52.95,79.93) 53.19,79.69 55.87,79.69 57.19,78.37 v7(57.97,78.37)
  BC2 w0.08: v7(63.77,77.81) 65.62,77.81 v7(65.63,77.82) ; v7(59.28,79.15) 59.28,79.06 58.6,78.38 57.98,78.38 v7(57.97,78.37) ; v7(64.87,101.41) 64.87,101.03 64.99,100.91 64.99,96.65 65.11,96.53 65.11,95.45 65.34,95.22 67.98,95.22 68.05,95.15 v7(68.05,85.89)
